# KiCad board RSTU.kicad_pcb (continued)
## Routing (per net, layer and track width the routed paths; a pad name or vN(x,y) marks a point on that pad's centre or on a via; arc(x,y) is an arc through that point) (continued)
  Bottom w0.25: v1(156.8,32.62) 156.55,32.37 v1(153.5,32.37)
K83_CLK: length 163.2
  Top w0.25: v1(152.1,88.89) 152.23,88.76 152.23,84.31 152.36,84.19 v1(152.36,69.71) ; v1(101.94,84.06) 101.95,84.07 U26.11 100.44,89.01 100.41,89.01 100.41,99.81 101.7,101.09 U25.11 ; U20.11 78.06,102.98 78.06,100.31 76.92,99.17 77.04,99.05 77.04,92.82 76.92,92.7 78.06,91.55 78.06,88.89 78.33,88.62 U21.11
  Bottom w0.25: v1(152.36,69.71) 152.48,69.84 158.83,69.84 158.96,69.96 159.21,69.71 174.58,69.71 175.09,69.2 175.47,69.2 U30.11 ; v1(152.1,88.89) 116.67,88.89 116.16,89.39 115.53,89.39 114.51,90.41 114.51,90.54 114,90.54 113.49,91.04 111.59,91.04 111.46,90.92 111.08,90.92 110.06,89.9 109.81,89.9 109.05,89.14 109.05,89.01 108.67,88.63 108.67,87.23 107.27,85.84 107.27,85.46 106.25,84.44 102.32,84.44 v1(101.94,84.06) 86.95,84.06 86.82,83.93 86.7,84.06 85.81,84.06 85.81,84.31 84.54,85.58 80.09,85.58 79.2,86.47 79.2,86.62 U21.11
K83_S0: length 103.5
  Top w0.25: v1(55.96,92.95) 55.96,93.33 55.33,93.97 U15.6 ; U20.9 82.13,101.97 81.87,101.97 82.12,101.72 82.12,92.44 82,92.31 83.27,91.04 83.27,89.9 83.41,89.76 U21.9 83.41,82.9 v1(83.52,82.79) ; v1(59.9,92.82) 59.77,92.7 59.77,90.41 60.92,89.27 v1(60.92,84.95) ; U26.9 107.03,90.01 107.02,90.03 107.02,90.16 105.49,91.68 105.49,98.54 106.78,99.82 U25.9
  Bottom w0.25: v1(83.52,82.79) 64.6,82.79 64.47,82.92 62.57,82.92 60.92,84.57 v1(60.92,84.95) ; v1(59.9,92.82) 56.09,92.82 v1(55.96,92.95) ; U21.9 84.78,87.5 86.57,85.71 104.86,85.71 105.75,86.6 106.13,86.6 U26.9
K83_S1: length 93.6
  Top w0.25: U21.10 80.87,90.01 80.85,90.03 80.85,90.79 79.46,92.19 79.58,92.31 79.58,98.16 79.46,98.28 79.46,98.41 81,99.95 U20.10 ; U25.10 104.24,100.2 103.08,99.05 103.08,91.68 104.35,90.41 104.35,88.89 104.49,88.74 U26.10
  Bottom w0.25: 50.25,103.36 51.9,101.71 79.08,101.71 79.2,101.84 79.46,101.84 U20.10 82.63,101.74 82.63,101.71 100.03,101.71 100.54,102.22 100.54,104.25 101.05,104.76 103.46,104.76 104.24,103.98 U25.10
nP15: length 174.4
  Top w0.25: v1(209.89,71.36) 209.38,70.85 209.38,69.2 209.51,69.07 210.52,69.07 210.76,68.84 210.76,66.64 210.65,66.53 209.76,66.53 209.51,66.28 209.63,66.15 209.63,60.18 ; v1(81.87,61.2) 80.6,59.93 80.6,49.64 80.35,49.39 80.61,49.12 80.61,40.13 80.35,39.86 81.48,38.73 U23.6
  Bottom w0.25: v1(209.89,71.36) 209.38,70.85 193.76,70.85 193.38,70.47 192.74,71.11 150.45,71.11 149.31,69.96 148.8,69.96 148.55,69.71 140.29,69.71 139.78,69.2 139.78,66.41 139.91,66.28 138.51,64.88 114.64,64.88 113.88,64.12 111.33,64.12 106.51,59.29 106.51,59.04 98.25,59.04 98.13,58.91 95.84,61.2 v1(81.87,61.2)
nP16: length 290.9
  Top w0.25: U27.11 97.87,63.12 97.87,46.98 v1(98.25,46.59) 98.89,45.96 98.89,45.2 98.76,45.07 98.76,33.39 U28.11 ; U33.2 203.16,58.79 203.16,47.86 205.7,45.32 205.7,44.69 205.95,44.44 205.95,32.5 206.08,32.37 203.54,29.83 203.54,26.4 200.87,23.73 200.87,23.61 201.14,23.34 201.14,4.83 v1(201.12,4.81) ; U29.10 101.93,13.57 101.81,13.45 101.81,12.05 100.67,10.91 100.67,5.7 100.79,5.57 101.94,5.57 102.19,5.83 v1(103.08,5.83) ; v1(87.21,18.91) 87.21,45.96 v1(87.59,46.34)
  Bottom w0.25: v1(98.25,46.59) 98.01,46.35 84.28,46.35 ; U30.4 178.5,61.58 203.03,61.58 203.28,61.33 203.41,61.33 U33.2 ; v1(87.21,18.91) 87.71,18.91 88.98,17.64 99.27,17.64 99.91,17 100.29,17 100.29,16.75 U29.10 ; v1(103.08,5.83) 103.33,5.57 191.6,5.57 192.61,4.56 199.85,4.56 200.11,4.81 v1(201.12,4.81)
P83_01: length 10.2
  Top w0.25: U30.13 172.29,68.07 172.29,68.95 173.06,69.71 173.06,70.09 174.33,71.36 174.33,72.12 175.47,73.26 175.47,73.65 176.61,74.79 J_K083.1
P83_02: length 259.1
  Top w0.25: v1(87.59,54.59) 87.59,68.31 85.94,69.96 85.94,74.28 86.06,74.41 86.06,74.92 86.44,75.3 86.44,105.78 v1(86.95,106.28) ; J_K083.2 179.15,81.9 180.28,83.03 180.28,104.27 176.99,107.55 v1(176.36,107.55) ; 45.17,103.36 U15.2 45.17,90.28 v1(45.29,90.16)
  Bottom w0.25: U22.1 68.92,54.59 v1(87.59,54.59) ; v1(45.29,90.16) 46.06,90.92 59.39,90.92 61.17,89.14 85.43,89.14 85.55,89.01 86.7,89.01 v1(86.44,89.14) ; v1(86.95,106.28) 87.71,106.28 87.97,106.03 98.25,106.03 99.78,107.55 107.53,107.55 108.67,106.41 111.84,106.41 112.48,107.05 125.43,107.05 125.81,106.67 149.18,106.67 149.31,106.54 168.1,106.54 168.36,106.28 174.45,106.28 174.58,106.41 175.22,106.41 v1(176.36,107.55) ; U15.1 U15.2
P83_03: length 145.5
  Top w0.25: v1(110.7,89.01) 110.95,89.27 110.95,104.25 111.21,104.51 v1(111.21,105.01) ; 181.69,75.93 181.69,81.65 182.84,82.79 182.84,101.71 184.49,103.36 184.49,107.05 v1(184.61,107.17)
  Bottom w0.25: v1(184.61,107.17) 183.98,107.17 183.6,107.55 178.52,107.55 176.49,105.52 162.01,105.52 161.88,105.65 158.83,105.65 158.71,105.78 125.69,105.78 125.31,106.16 124.03,106.16 123.91,106.28 112.73,106.28 111.46,105.01 v1(111.21,105.01) ; v1(110.7,89.01) 110.7,88.5 109.43,87.23 109.43,86.73 108.29,85.58 108.29,85.08 106.64,83.42 106.64,83.04 102.19,83.04 101.43,82.28 96.35,82.28 95.33,81.27 95.21,81.27 94.33,80.39 U26.3
P83_04: length 125.9
  Top w0.25: v1(184.49,79.61) 184.23,79.36 J_K083.4
  Bottom w0.25: v1(184.49,79.61) 184.23,79.87 174.33,79.87 172.68,81.52 172.29,81.52 170.77,83.04 170.52,83.04 168.61,84.95 168.36,84.95 165.69,87.62 165.18,87.62 162.52,90.28 162.13,90.28 158.58,93.84 126.45,93.84 126.19,94.09 111.08,94.09 107.78,97.39 93.94,97.39 93.56,97.01 93.43,97.14 71.71,97.14 71.71,96.63 U20.3
P83_05: length 100.9
  Bottom w0.25: J_K083.5 185.63,77.07 175.47,77.07 173.56,78.98 172.93,78.98 169.12,82.79 168.61,82.79 166.33,85.08 165.69,85.08 161.25,89.52 160.86,89.52 158.45,91.93 156.42,91.93 156.17,92.19 117.81,92.19 117.69,92.31 98.51,92.31 97.36,93.46 96.98,93.46 96.09,94.35 95.84,94.35 95.21,94.98 94.85,94.98 U25.3
P83_06: length 191.1
  Top w0.25: v1(187.66,111.36) 187.66,108.19 187.79,108.06 187.79,103.24 188.42,102.6 188.42,97.78 187.92,97.27 187.92,83.81 189.31,82.41 J_K083.6 ; v1(67.27,92.7) 66.88,93.08 66.88,104.63 67.39,105.14 v1(67.39,105.65) ; v1(70.82,92.7) 70.82,92.31 70.44,91.93 70.44,90.66 71.84,89.27 71.84,83.68 70.57,82.41 70.71,82.27 U21.3
  Bottom w0.25: v1(67.39,105.65) 74,105.65 74.25,105.9 74.38,105.9 77.04,108.57 93.81,108.57 95.21,109.97 107.65,109.97 108.67,110.98 112.99,110.98 113.75,110.22 119.46,110.22 119.72,109.97 140.42,109.97 140.54,109.84 172.55,109.84 174.07,111.36 v1(187.66,111.36) ; v1(67.27,92.7) v1(70.82,92.7)
P83_07: length 150.8
  Top w0.25: v1(112.73,103.36) 112.73,102.6 112.48,102.35 112.48,92.7 112.35,92.57 v1(112.35,89.52) ; 191.85,75.93 191.85,84.95 193,86.09 193,103.49 v1(195.16,105.65)
  Bottom w0.25: U26.4 98,81.01 98,81.39 101.68,81.39 102.44,82.15 106.64,82.15 108.29,83.81 108.29,84.19 110.19,86.09 110.19,86.6 112.35,88.76 v1(112.35,89.52) ; v1(112.73,103.36) 112.73,103.74 114.51,105.52 123.91,105.52 124.29,105.14 125.56,105.14 125.69,105.01 130.51,105.01 130.64,104.89 146.64,104.89 146.77,104.76 176.99,104.76 178.77,106.54 182.96,106.54 183.98,105.52 195.03,105.52 v1(195.16,105.65)
P83_08: length 135.5
  Top w0.25: v1(74.5,98.03) 73.38,96.9 U20.4 ; J_K083.8 194.39,81.01 v1(194.52,81.14)
  Bottom w0.25: v1(74.5,98.03) 74.63,97.9 93.17,97.9 93.56,98.28 108.03,98.28 108.03,98.16 111.21,94.98 113.37,94.98 113.62,94.73 132.42,94.73 132.67,94.47 154.13,94.47 154.26,94.6 154.51,94.35 159.85,94.35 163.79,90.41 164.55,90.41 166.83,88.12 167.22,88.12 173.95,81.39 174.45,81.39 174.71,81.14 v1(194.52,81.14)
P83_09: length 108.5
  Bottom w0.25: J_K083.9 195.28,77.58 190.71,77.58 190.46,77.84 187.92,77.84 187.79,77.96 181.44,77.96 181.31,78.09 178.52,78.09 178.26,78.34 174.83,78.34 173.69,79.49 173.56,79.49 171.41,81.65 171.03,81.65 166.96,85.71 166.07,85.71 161.25,90.54 160.74,90.54 158.32,92.95 139.66,92.95 139.4,93.2 125.31,93.2 125.18,93.33 99.4,93.33 98.38,94.35 98.03,94.35 U25.4
P83_10: length 191.2
  Top w0.25: 199.47,75.93 199.47,86.73 198.2,88 198.2,97.52 197.82,97.9 v1(197.82,108.32) ; U21.4 73.25,82.27 73.11,82.41 74.38,83.68 v1(74.38,92.82) ; v1(110.19,109.59) 110.19,109.21 109.81,108.82 109.81,91.43 v1(109.68,91.3)
  Bottom w0.25: v1(197.82,108.32) 197.19,108.32 196.3,109.21 190.58,109.21 190.33,109.46 184.87,109.46 184.61,109.71 178.9,109.71 177.88,110.73 174.45,110.73 172.55,108.82 160.86,108.82 160.74,108.95 152.36,108.95 152.23,109.08 139.66,109.08 139.53,109.21 129.24,109.21 129.11,109.33 110.45,109.33 v1(110.19,109.59) ; v1(109.68,91.3) 107.65,91.3 107.53,91.17 98.13,91.17 96.09,93.2 74.76,93.2 v1(74.38,92.82)
P83_12: length 181.8
  Top w0.25: v1(113.37,83.42) 113.37,92.57 113.49,92.7 113.49,101.59 114,102.09 v1(114.13,102.09) ; J_K083.12 204.55,83.42 205.82,84.69 205.82,89.27 205.7,89.39 v1(205.7,93.97)
  Bottom w0.25: v1(114.13,102.09) 114.13,101.97 116.16,99.93 127.08,99.93 127.21,100.06 179.15,100.06 180.68,101.59 181.57,101.59 181.82,101.33 189.19,101.33 197.06,93.46 205.19,93.46 v1(205.7,93.97) ; v1(113.37,83.42) 113.37,82.53 113.11,82.28 113.11,81.77 112.1,80.76 112.1,80.12 110.95,78.98 110.95,78.22 109.81,77.07 109.81,76.57 109.05,75.8 109.05,75.17 108.16,74.28 108.16,73.65 107.27,72.76 105.75,72.76 105.62,72.63 102.44,72.63 102.19,72.38 96.98,72.38 93.3,68.69 93.3,68.31 92.16,67.17 79.71,67.17 78.7,66.15 78.44,66.15 U22.12
P83_13: length 199.4
  Top w0.25: v1(72.73,69.58) 72.73,67.55 72.98,67.3 72.98,58.66 72.85,58.53 72.85,58.28 U22.4 ; v1(123.27,102.6) v1(123.27,87.87) ; v1(208.49,96.5) 208.24,96.25 208.24,95.24 208.22,95.22 208.22,84.3 208.11,84.19 208.11,83.81 207.22,82.92 207.22,78.98 207.09,78.85 J_K083.13
  Bottom w0.25: v1(72.73,69.58) 72.85,69.45 78.06,69.45 78.31,69.71 83.78,69.71 84.03,69.45 90.38,69.45 90.51,69.58 92.03,69.58 96.48,74.03 106.25,74.03 107.14,74.92 107.14,76.31 109.49,78.66 109.49,78.91 109.56,78.98 109.56,79.74 111.01,81.2 111.01,81.58 111.33,81.9 111.33,84.31 113.24,86.22 113.37,86.22 113.49,86.34 116.8,86.34 116.92,86.47 122.13,86.47 122.13,86.73 v1(123.27,87.87) ; v1(208.49,96.5) 196.55,96.5 190.07,102.98 179.03,102.98 178.9,103.11 178.26,102.47 156.17,102.47 156.04,102.6 126.7,102.6 126.45,102.86 123.53,102.86 v1(123.27,102.6)
P83_16: length 157
  Top w0.25: 207.09,91.17 207.09,84.57 205.95,83.42 v1(205.95,74.28)
  Bottom w0.25: U22.9 85.68,65.77 86.32,65.77 86.82,66.28 86.95,66.15 92.41,66.15 94.19,67.93 94.19,68.44 95.71,69.96 95.71,70.22 97.11,71.61 100.16,71.61 100.29,71.74 103.21,71.74 103.46,71.99 105.62,71.99 105.75,72.12 107.78,72.12 107.78,72.38 109.43,74.03 109.43,74.41 110.19,75.17 110.19,76.19 111.72,77.71 111.72,78.6 113.11,80 113.11,80.76 114.26,81.9 114.26,82.92 115.65,84.31 115.65,84.69 115.91,84.95 137.88,84.95 138.51,84.31 165.18,84.31 166.07,83.42 166.71,83.42 168.23,81.9 168.61,81.9 170.64,79.87 171.15,79.87 173.69,77.33 173.69,76.95 174.33,76.31 174.33,74.53 174.83,74.03 175.47,74.03 175.85,73.65 175.98,73.77 204.68,73.77 204.81,73.65 205.31,73.65 v1(205.95,74.28)
P83_17: length 166.8
  Top w0.25: v1(204.55,95.24) 204.3,94.98 204.3,92.82 204.55,92.57 204.55,91.17 ; v1(125.94,101.33) 125.94,87.74 v1(125.18,86.98) ; v1(82.89,68.44) 82.89,67.3 83.01,67.17 83.01,58.02 U22.7
  Bottom w0.25: v1(204.55,95.24) 200.87,95.24 200.49,94.85 200.36,94.98 196.68,94.98 193.76,97.9 193.63,97.9 190.71,100.82 190.71,101.33 190.58,101.33 189.57,102.35 180.04,102.35 179.03,101.33 v1(125.94,101.33) ; v1(82.89,68.44) 83.01,68.56 92.16,68.56 96.73,73.14 102.95,73.14 103.21,73.39 106.89,73.39 106.89,73.65 107.65,74.41 107.65,74.92 108.16,75.42 108.16,76.19 109.94,77.96 109.94,78.72 110.7,79.49 110.7,79.87 111.46,80.63 111.46,81.39 112.22,82.15 112.22,84.19 113.62,85.58 123.53,85.58 123.78,85.84 124.03,85.84 v1(125.18,86.98)
P83_19: length 166.9
  Top w0.25: U21.6 78.33,82.39 78.31,82.41 79.46,83.55 79.46,90.28 v1(79.33,90.41) ; v1(96.86,90.28) 96.86,90.54 95.21,92.19 95.21,101.97 95.33,102.09 95.33,105.4 97.49,107.55 v1(97.62,107.55) ; 199.47,91.17 199.47,93.08 199.22,93.33 199.22,102.98 v1(199.6,103.36)
  Bottom w0.25: v1(199.6,103.36) 199.35,103.36 196.17,106.54 188.42,106.54 186.9,108.06 186.77,108.06 186.52,108.32 178.39,108.32 177.63,109.08 175.6,109.08 175.47,109.21 173.44,107.17 155.53,107.17 155.28,107.43 145.5,107.43 145.37,107.55 137.12,107.55 136.86,107.3 136.48,107.68 121.37,107.68 121.24,107.81 112.35,107.81 111.84,107.3 109.18,107.3 108.29,108.19 107.27,108.19 107.02,108.44 98.51,108.44 v1(97.62,107.55) ; v1(79.33,90.41) 79.46,90.28 v1(96.86,90.28)
P83_20: length 105.5
  Top w0.25: v1(103.21,101.84) 103.21,101.59 101.56,99.93 101.56,95.9 U25.6
  Bottom w0.25: 196.93,91.17 195.16,92.95 194.65,92.95 194.65,93.33 191.09,96.89 172.8,96.89 172.68,97.01 127.84,97.01 127.72,97.14 117.56,97.14 117.43,97.27 113.11,97.27 108.79,101.59 108.79,101.84 104.48,101.84 104.35,101.71 103.33,101.71 v1(103.21,101.84)
P83_21: length 128.3
  Top w0.25: U20.6 78.46,96.36 77.93,96.89 78.19,97.14 78.19,98.92 v1(79.59,100.31)
  Bottom w0.25: 194.39,91.17 193.88,90.66 193.88,89.9 192.87,88.89 192.74,88.89 191.22,87.36 169.5,87.36 167.72,89.14 167.34,89.14 164.55,91.93 164.17,91.93 161.88,94.22 161.5,94.22 160.48,95.24 139.02,95.24 138.77,95.49 127.46,95.49 127.34,95.62 124.16,95.62 124.03,95.49 117.43,95.49 117.18,95.74 111.59,95.74 111.59,95.87 108.41,99.05 104.1,99.05 103.97,99.17 94.95,99.17 94.82,99.05 85.81,99.05 85.55,98.79 80.85,98.79 79.59,100.06 v1(79.59,100.31)
P83_22: length 124.5
  Top w0.25: v1(114.76,88.38) 114.76,98.41 115.65,99.3 115.65,102.35 115.78,102.47 v1(115.78,103.36) ; v1(191.85,104.63) 191.73,104.51 191.73,95.24 191.85,95.11 191.85,91.17
  Bottom w0.25: v1(115.78,103.36) 115.78,103.74 116.8,104.76 116.92,104.63 123.78,104.63 123.91,104.51 124.54,104.51 124.8,104.25 131.27,104.25 131.4,104.12 152.48,104.12 152.61,104 177.12,104 178.01,104.89 178.52,104.89 179.41,105.78 181.95,105.78 182.07,105.65 182.71,105.65 184.23,104.12 191.34,104.12 v1(191.85,104.63) ; U26.6 102.83,80.75 102.83,80.76 103.08,80.76 103.84,81.52 107.14,81.52 107.91,82.28 107.91,82.53 109.3,83.93 109.3,84.31 112.99,88 113.75,88 114.13,88.38 v1(114.76,88.38)
P83_23: length 161.8
  Top w0.25: v1(89.62,107.3) 89.62,106.92 87.59,104.89 87.59,102.86 87.46,102.73 87.46,93.33 87.33,93.2 88.09,92.44 v1(88.09,91.81) ; 189.31,91.17 189.31,107.3 189.44,107.43 189.44,108.19 v1(189.57,108.32) ; U21.5 75.52,80.15 75.52,82.41 76.92,83.81 76.92,89.9 76.16,90.66 v1(76.16,91.43)
  Bottom w0.25: v1(88.09,91.81) 87.21,91.81 86.95,92.06 83.52,92.06 83.27,91.81 76.54,91.81 v1(76.16,91.43) ; v1(89.62,107.3) 89.87,107.55 94.7,107.55 96.22,109.08 108.54,109.08 109.43,108.19 111.46,108.19 111.72,108.44 120.22,108.44 120.35,108.57 136.35,108.57 136.61,108.32 152.74,108.32 152.99,108.06 173.18,108.06 175.09,109.97 177.5,109.97 178.52,108.95 187.15,108.95 187.41,108.7 187.92,108.7 188.3,108.32 v1(189.57,108.32)
P83_24: length 111.1
  Top w0.25: 186.77,91.17 186.77,93.33 186.65,93.46 186.65,100.44 v1(186.77,100.57) ; U25.5 99.16,97.25 99.02,97.39 99.02,99.93 100.29,101.2 100.29,105.4 100.54,105.65 v1(100.54,106.28)
  Bottom w0.25: v1(100.54,106.28) 100.67,106.41 107.4,106.41 107.91,105.9 108.29,105.9 108.29,105.78 112.86,101.2 112.86,100.95 114.89,98.92 125.94,98.92 126.07,99.05 136.35,99.05 136.48,99.17 155.78,99.17 155.91,99.05 180.04,99.05 181.31,100.31 185.5,100.31 185.76,100.57 v1(186.77,100.57)
P83_25: length 129.3
  Top w0.25: U20.5 75.52,96.15 75.52,99.17 77.04,100.69 77.04,104.13 76.92,104.25 77.17,104.51 v1(77.17,105.14) ; 184.23,91.17 184.23,95.49 183.98,95.74 183.98,98.66 v1(184.23,98.92)
  Bottom w0.25: v1(77.17,105.14) 77.3,105.01 99.65,105.01 100.16,105.52 101.94,105.52 102.06,105.65 107.14,105.65 107.91,104.89 107.91,104.63 114.38,98.16 149.44,98.16 149.56,98.03 183.34,98.03 v1(184.23,98.92)
P83_26: length 119.7
  Top w0.25: v1(120.99,103.49) 120.99,102.6 120.73,102.35 120.73,87.87 v1(120.86,87.74) ; 181.69,91.17 181.69,104.63 v1(181.95,104.89)
  Bottom w0.25: v1(120.86,87.74) 120.22,87.11 113.11,87.11 109.18,83.17 109.18,80 109.11,79.93 109.11,79.67 107.91,78.47 100.82,78.47 U26.5 ; v1(181.95,104.89) 181.44,104.38 179.53,104.38 179.28,104.12 178.26,104.12 177.38,103.24 131.91,103.24 131.66,103.49 124.8,103.49 124.42,103.87 121.37,103.87 v1(120.99,103.49)
P83_27: length 221.4
  Top w0.25: v1(90.38,100.19) 90.38,99.55 91.54,98.4 U25.2 91.54,92.71 91.52,92.7 92.92,91.3 92.92,84.19 93.05,84.06 91.65,82.66 91.65,82.41 91.79,82.27 U26.2 ; U26.7 104.49,82.8 105.49,83.81 105.49,84.31 105.62,84.44 105.62,90.16 104.1,91.68 104.1,91.93 104.24,92.08 U25.7 104.24,98.93 105.49,100.19 v1(105.49,100.31) ; v1(54.06,92.82) 53.93,92.95 53.93,101.97 55.33,103.36
  Bottom w0.25: v1(105.49,100.31) 106.38,100.31 ; 106.38,100.31 108.54,100.31 112.48,96.38 126.45,96.38 126.7,96.12 174.2,96.12 179.15,91.17 ; 106.38,100.31 90.51,100.31 v1(90.38,100.19) ; v1(54.06,92.82) 55.71,94.47 60.41,94.47 61.3,95.36 61.3,96 62.19,96.89 62.31,96.89 63.07,97.65 66.5,97.65 66.88,97.27 66.88,97.17 U20.2 69.68,94.37 69.68,94.35 79.71,94.35 80.09,94.73 80.22,94.73 80.22,94.98 U20.7 82.28,94.47 89.87,94.47 90.13,94.22 90.13,94.34 U25.2 ; U26.2 90.51,78.59 90.51,78.47 82.38,78.47 82.25,78.34 82.25,78.5 U21.7 79.71,78.72 79.71,78.47 79.46,78.22 69.68,78.22 69.68,78.37 U21.2 ; 52.79,103.36 55.33,103.36
P85_09: length 140.3
  Top w0.25: v1(162.39,12.18) 162.52,12.3 162.52,22.08 163.28,22.84 163.28,25.13 163.41,25.26 163.41,34.53 163.91,35.04 163.91,50.15 163.66,50.4 163.66,78.22 v1(162.39,79.49) ; v1(141.56,9.64) 141.31,9.38 J_K85.9
  Bottom w0.25: v1(162.39,79.49) 161.25,80.63 161.12,80.5 120.1,80.5 119.46,81.14 118.7,81.14 116.92,82.92 ; v1(141.56,9.64) 147.53,9.64 147.91,10.02 148.29,10.02 150.07,11.8 162.01,11.8 v1(162.39,12.18)
P85_12: length 128.5
  Top w0.25: J_K85.12 150.58,8.49 150.58,8.62 162.26,8.62 163.66,10.02 163.66,20.56 163.53,20.69 164.04,21.19 164.04,34.4 164.67,35.04 164.67,61.07 164.42,61.33 164.42,80.63 163.53,81.52 v1(163.53,81.9)
  Bottom w0.25: v1(163.53,81.9) 163.02,81.9 162.64,81.52 149.82,81.52 149.69,81.39 149.31,81.77 148.93,81.77 148.93,82.54 148.54,82.93 147.15,81.53 147.15,81.39 147.02,81.52 127.84,81.52 127.08,82.28 127.08,82.92
P85_16: length 120.4
  Top w0.25: 163.02,35.8 163.02,74.41 v1(160.61,76.82) ; 163.15,35.67 162.77,35.29 162.77,25.64 162.64,25.51 162.64,24.24 v1(162.01,23.61) ; 116.94,75.69 116.94,80.23 116.92,80.25 116.92,80.38 119.46,82.92
  Bottom w0.25: v1(116.92,77.84) 138.89,77.84 140.93,75.8 142.32,77.2 160.23,77.2 v1(160.61,76.82) ; J_K85.16 152.86,20.69 156.42,20.69 159.34,23.61 v1(162.01,23.61)
P85_20: length 91.3
  Top w0.25: v1(134.83,71.99) 134.58,71.99 134.19,71.61 134.19,38.85 134.83,38.21 134.83,37.83 136.35,36.31 136.35,31.23 135.85,30.72 135.85,27.67 v1(136.35,27.16) ; 148.55,75.8 148.55,72.25 v1(148.67,72.12) ; v1(146.26,25.77) 146.26,29.96 146.13,30.08 147.4,31.35 147.4,35.93 ; J_K85.20 141.31,22.72 141.05,22.97 141.05,25.51 140.93,25.64 140.93,25.77 v1(141.43,26.27)
  Bottom w0.25: v1(136.35,27.16) 136.86,26.66 141.05,26.66 v1(141.43,26.27) 141.56,26.4 145.62,26.4 v1(146.26,25.77) ; v1(148.67,72.12) 148.67,71.99 147.28,70.6 136.23,70.6 v1(134.83,71.99)
P85_21: length 87.6
  Top w0.25: v1(161.25,74.53) 160.86,74.53 159.34,73.01 159.34,63.61 159.21,63.48 160.99,61.71 160.99,47.48 159.72,46.21 159.72,45.96 159.83,45.85 159.83,33.79 v1(159.85,33.77) ; v1(155.66,24.37) 156.29,25 156.29,30.85 155.4,31.73 155.4,35.55 155.02,35.93
  Bottom w0.25: v1(155.66,24.37) 155.66,23.99 155.28,23.61 140.29,23.61 J_K85.21 ; 156.17,75.8 159.34,75.8 160.61,74.53 v1(161.25,74.53) ; v1(159.85,33.77) 159.85,36.31 158.83,37.32 156.29,37.32 156.29,37.2 155.02,35.93
P85_22: length 89.2
  Top w0.25: v1(150.2,20.31) 150.07,20.43 150.07,26.91 149.94,27.04 149.94,28.31 ; v1(160.99,65.77) 162.39,64.12 162.57,50.85 162.57,35.73 162.32,35.48 162.32,34.71 162.13,34.53 162.13,26.15 160.48,24.5 160.48,22.59 161.37,21.7 v1(161.37,21.45)
  Bottom w0.25: J_K85.22 138,20.31 v1(150.2,20.31) 150.58,19.92 156.8,19.92 158.32,21.45 v1(161.37,21.45) ; 153.63,68.18 155.78,66.03 160.74,66.03 v1(160.99,65.77)
P85_23: length 60.4
  Top w0.25: v1(146.26,33.64) 146.01,33.89 146.01,36.94 144.74,38.21 144.74,49.77 144.48,49.77 142.32,51.93 142.32,57.14 144.73,59.55 144.73,63.99 146.01,65.26 146.01,68.18 ; v1(142.32,24.62) 142.58,24.88 142.58,28.05 142.32,28.31 142.7,28.69 v1(142.7,33.51)
  Bottom w0.25: J_K85.23 135.78,24.17 141.87,24.17 v1(142.32,24.62) ; v1(146.26,33.64) 146.13,33.51 v1(142.7,33.51)
P85_24: length 93.9
  Top w0.25: v1(112.1,73.01) 110.7,71.61 110.45,71.61 110.45,45.96 108.03,43.55 108.03,39.48 107.91,39.36 110.32,36.94 110.7,36.94 111.97,35.67 112.48,35.67 113.88,34.28 v1(113.88,34.15) ; 122.89,35.81 121.88,34.8 121.88,34.28 121.75,34.15 121.75,26.27 124.8,23.23 v1(124.8,19.67)
  Bottom w0.25: v1(113.88,34.15) 114.13,33.89 121.62,33.89 122.26,34.53 122.64,34.53 122.64,35.56 122.89,35.81 ; 124.56,75.69 123.65,74.78 123.65,74.28 123.15,74.28 122.89,74.03 120.86,74.03 120.1,73.26 112.35,73.26 v1(112.1,73.01) ; J_K85.24 130.26,21.19 130.26,20.18 129.88,19.8 124.92,19.8 v1(124.8,19.67)
P85_25: length 65.9
  Top w0.25: J_K85.25 128.61,24.12 129.11,24.62 129.11,29.58 130.77,31.23 130.77,35.55 130.51,35.81 ; v1(135.34,32.24) 135.34,36.43 133.31,38.47 133.31,70.34 132.16,71.49 132.16,71.61 132.18,71.63 132.18,75.69
  Bottom w0.25: 130.51,35.81 131.78,34.53 131.78,34.4 133.18,33.01 133.94,33.01 134.7,32.24 v1(135.34,32.24)
P85_26: length 66.7
  Top w0.25: 129.64,68.07 129.64,65.02 129.62,65.01 129.62,64.88 130.89,63.61 130.77,63.48 130.77,46.09 129.11,44.44 129.11,42.53 129.5,42.15 130.38,42.15 131.78,40.75 131.78,39.23 134.45,36.56 134.45,33.77 134.07,33.39 134.07,30.72 132.42,30.72 131.66,29.96 131.66,24.88 131.02,24.24 130.89,24.24 129.75,23.1 129.75,20.56 128.99,19.8 127.46,19.8 126.96,20.31 126.45,20.31 126.07,20.69 J_K85.26 126.07,23.1 125.31,23.86 125.31,25.13 125.43,25.25 125.43,28.19
P85_27: length 67.6
  Top w0.25: v1(121.24,24.12) 120.86,24.12 117.81,27.17 117.81,30.6 117.69,30.72 119.08,32.12 119.08,36.56 118.32,37.32 111.97,37.32 110.45,38.85 110.32,38.85 110.45,38.97 110.45,43.55 110.57,43.55 112.99,45.96 112.99,50.02 111.08,51.93 111.08,63.36 112.99,65.26 v1(112.99,65.39)
  Bottom w0.25: v1(121.24,24.12) 122,24.12 123.15,22.97 123.15,22.46 J_K85.27 ; 122.02,68.07 121.5,67.54 121.5,67.04 121.24,67.04 120.48,66.28 113.88,66.28 v1(112.99,65.39)
P503_01: length 176.2
  Top w0.25: v1(95.46,67.3) 95.46,58.17 U27.2 ; J_K503.1 166.71,14.08 167.98,15.35 167.98,37.58 v1(168.1,37.7) 168.1,38.47 170.52,40.88 170.52,77.2 v1(171.15,77.84)
  Bottom w0.25: v1(168.1,37.7) 168.75,37.06 175.76,37.06 U32.12 ; v1(171.15,77.84) 170.9,78.09 161.75,78.09 159.98,79.87 145.37,79.87 145.12,79.61 114.13,79.61 112.99,78.47 112.73,78.47 112.73,77.84 111.46,76.57 111.46,75.8 110.57,74.92 110.57,74.41 109.43,73.26 109.43,72.5 107.78,70.85 103.21,70.85 102.95,70.6 98.76,70.6 v1(95.46,67.3)
P503_02: length 120.1
  Top w0.25: U32.14 171.8,32.74 172.93,31.61 172.93,21.45 172.8,21.32 173.18,20.94 v1(173.18,19.42) ; J_K503.2 169.25,19.42 v1(169.37,19.54)
  Bottom w0.25: v1(173.18,19.42) 173.06,19.54 v1(169.37,19.54) ; U32.14 171.03,35.16 171.03,34.28 170.39,34.28 167.22,31.1 162.64,31.1 162.13,31.61 158.45,31.61 157.94,31.1 157.82,31.23 152.36,31.23 151.47,32.12 141.43,32.12 140.67,32.88 138.13,32.88 138.13,32.5 135.08,29.45 129.37,29.45 129.24,29.58 128.73,29.58 126.19,32.12 123.78,32.12 123.4,31.73 110.57,31.73 106.25,27.42 97.1,27.42 U28.2
P503_03: length 22.4
  Top w0.25: J_K503.3 171.79,18.65 171.91,18.78 170.39,20.31 170.39,23.61 171.66,24.88 171.66,25 171.8,25.15 U32.3
P503_04: length 22.2
  Top w0.25: U32.5 176.88,27.69 175.6,26.4 175.6,17.51 174.45,16.37 174.45,15.61 174.33,15.48 J_K503.4
P503_05: length 75.7
  Top w0.25: v1(175.72,33.39) 175.72,34.28 175.47,34.53 175.76,34.82 175.76,38.18 175.72,38.21 175.72,49.39 175.6,49.52 175.6,49.77 U31.12 ; v1(192.23,9.64) 192.23,14.34 192.11,14.46 193.12,15.48 193.12,15.73 193.23,15.84 193.23,31.08 193.25,31.1 191.6,32.75 v1(191.6,32.88)
  Bottom w0.25: v1(191.6,32.88) 190.71,32.88 190.33,32.5 185.12,32.5 184.36,33.26 175.85,33.26 v1(175.72,33.39) ; J_K503.5 179.28,9.64 v1(192.23,9.64)
P503_06: length 134.7
  Top w0.25: v1(218.78,16.62) 218.65,16.75 218.65,37.96 219.92,39.23 v1(219.92,53.45) ; v1(179.41,14.97) J_K503.6
  Bottom w0.25: v1(218.78,16.62) 218.78,16.24 217.76,15.23 202.52,15.23 202.39,15.35 179.79,15.35 v1(179.41,14.97) ; v1(219.92,53.45) 188.42,53.45 187.79,52.82 173.56,52.82 U31.14
P503_07: length 44.9
  Top w0.25: v1(180.55,31.86) 180.68,31.73 180.68,26.78 181.69,25.77 181.69,25 181.82,24.88 181.44,24.5 181.44,24.24 180.68,23.48 180.68,17.38 182.07,15.99 181.95,15.86 J_K503.7 ; U31.3 173.18,42.02 173.18,33.39 v1(174.45,32.12)
  Bottom w0.25: v1(180.55,31.86) 174.71,31.86 v1(174.45,32.12)
P503_08: length 48
  Top w0.25: J_K503.8 184.49,15.61 185.63,16.75 185.63,23.48 187.28,25.13 v1(187.28,39.1) ; v1(177.12,38.97) 176.74,39.36 176.74,40.12 176.87,40.24 U31.5
  Bottom w0.25: v1(187.28,39.1) 187.03,38.85 177.25,38.85 v1(177.12,38.97)
P503_09: length 48.5
  Top w0.25: v1(186.77,13.57) 187.03,13.32 J_K503.9 ; U35.11 207.35,31.73 205.93,30.32 205.93,13.68 v1(205.82,13.57)
  Bottom w0.25: v1(186.77,13.57) v1(205.82,13.57)
P503_10: length 73.1
  Top w0.25: J_K503.10 190.58,8.24 190.58,8.49 192.61,8.49 193.5,9.38 193.5,14.34 195.92,16.75 195.92,33.77 195.79,33.77 192.61,36.94 192.61,66.66 v1(191.98,67.3)
  Bottom w0.25: v1(191.98,67.3) 191.59,67.69 184.61,67.69
